# Altium PCB Edison_arduino_5_0826.PcbDoc (part 2 of 6)
Units mm, origin at the board's own origin, x right, y up, seen from the top; angles counter-clockwise.
Board outline 122.25 x 72.01 mm, 4 copper layers (TOP, GND, PWR_GND, BOTTOM), stack 1.567 mm thick; 365 components, 239 nets, 1187 pads, 660 vias.
Unrouted connection lines stored in the file: 40.
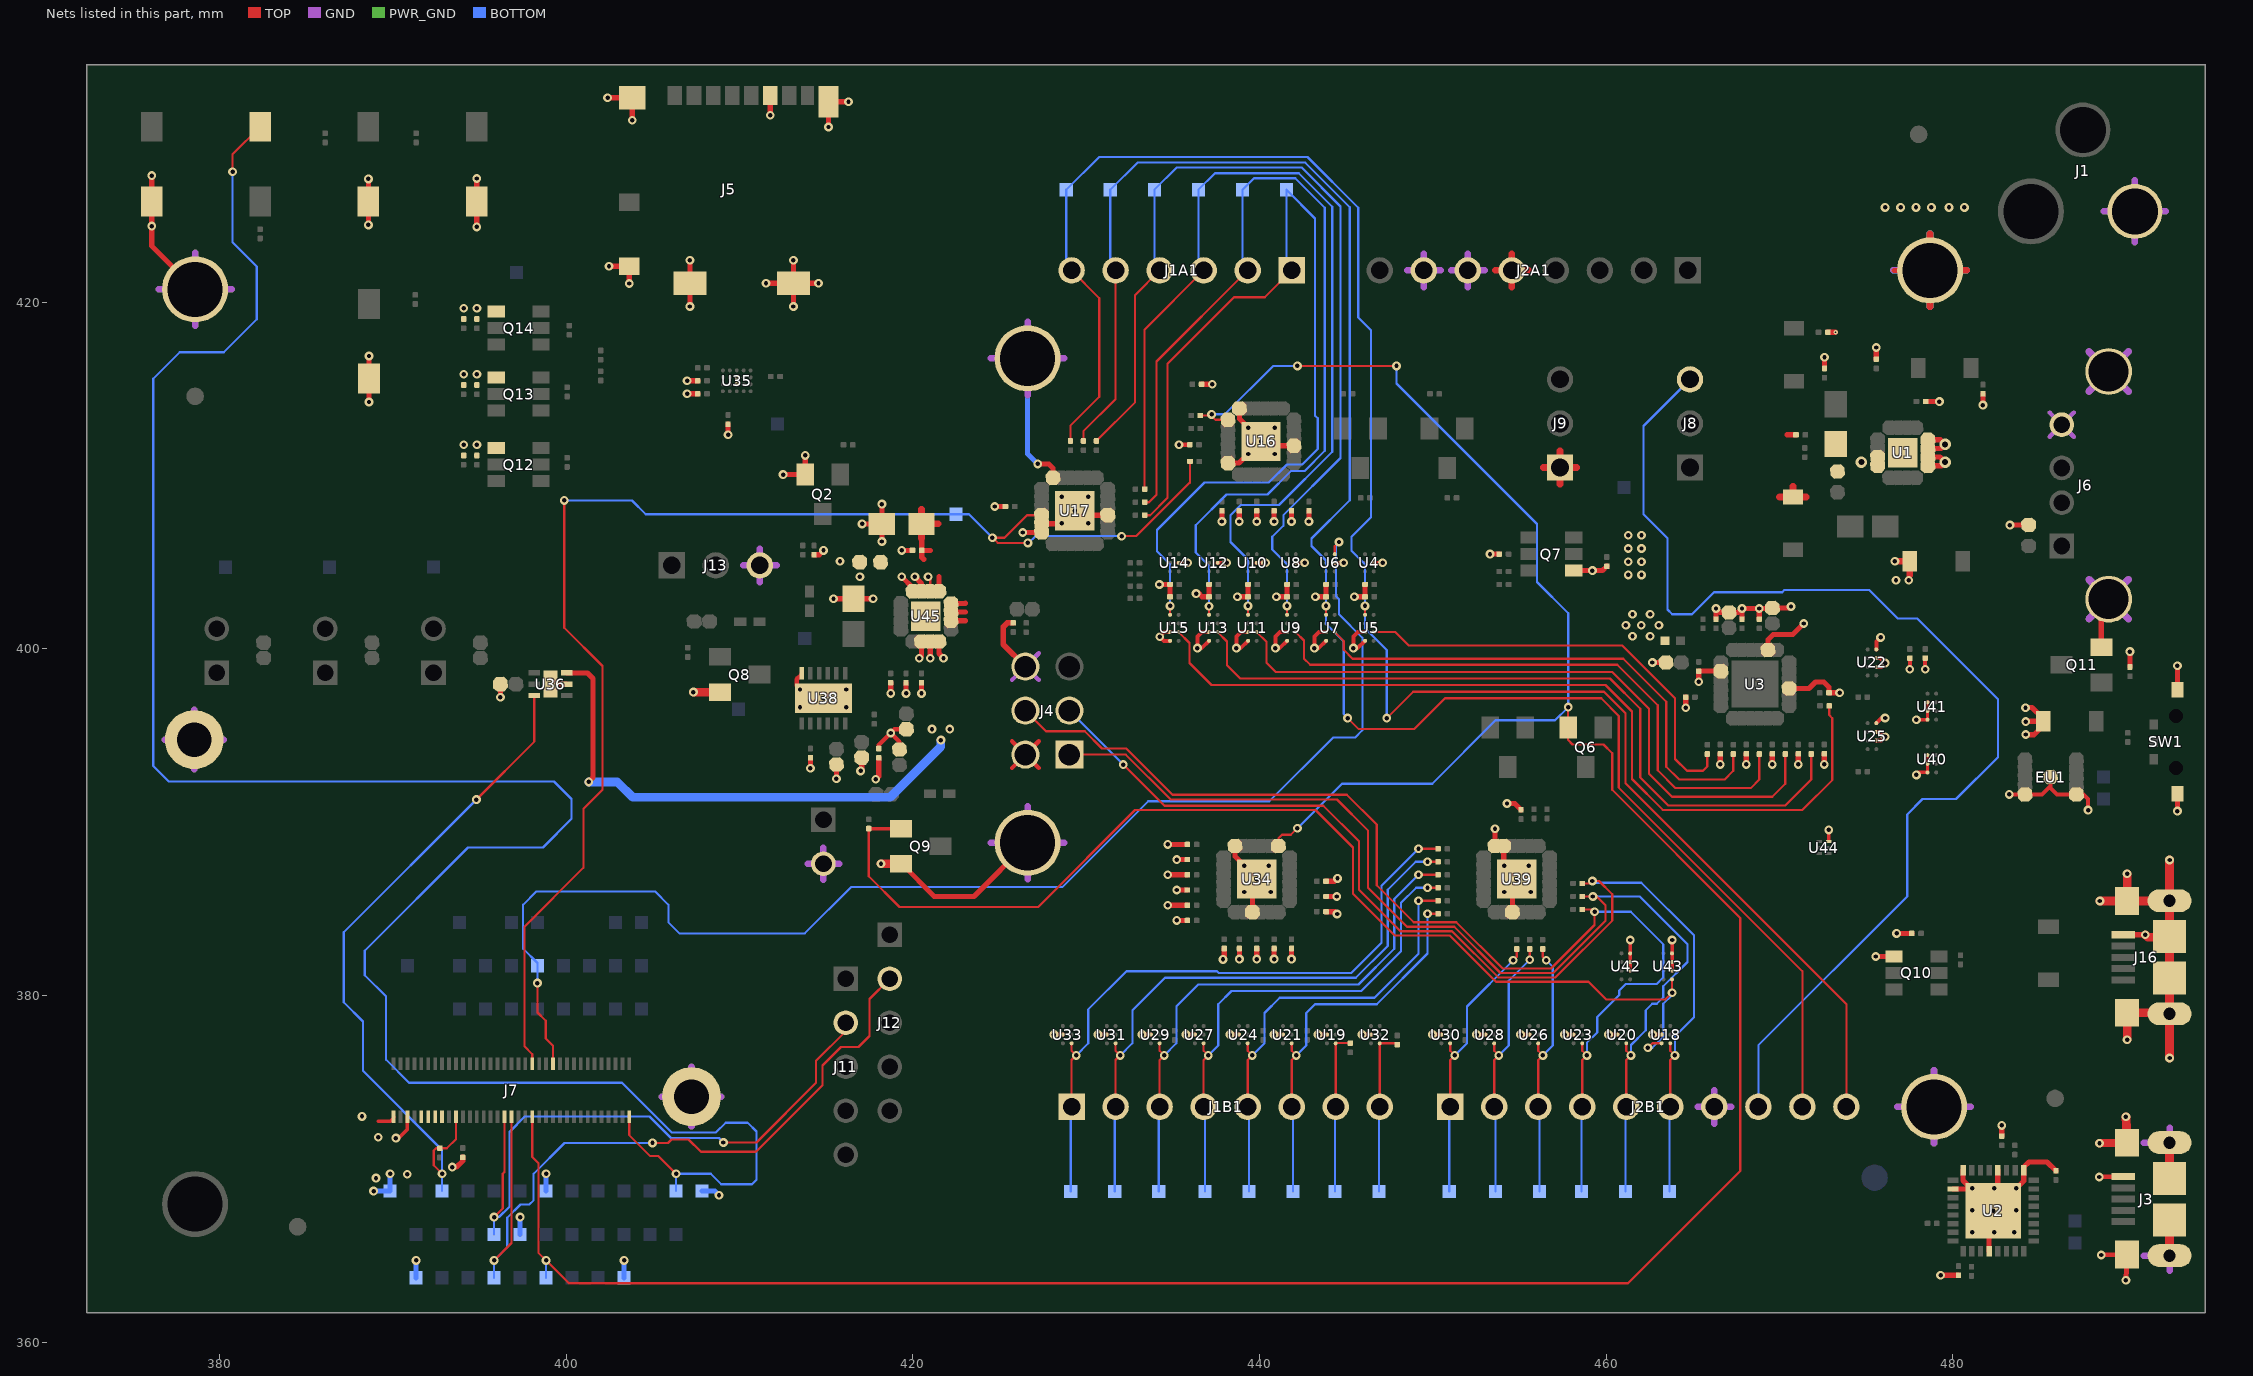
[diagram p4: the nets of this part, all layers, seen from the top]

## Footprints (in the part's own frame and the unit in brackets; to place one, negate y for a bottom-side part, rotate by r counter-clockwise, add the part's x,y. Pads: shape width x height; smd on the part's side, far side on the other; paste and mask are expansions set on the pad) (continued)
SMR0201#9 [mil] "SMR0201"
  rrect33% 12x13 smd: 1(0,10.5) 2(0,-10.5)
  TOP keep-out region: -7,4 -7,-4 7,-4 7,4 -7,4 16792.89,15796.82
SMR0201#10 [mil] "SMR0201"
  rrect33% 12x13 smd: 1(0,10.5) 2(0,-10.5)
  TOP keep-out region: -7,4 -7,-4 7,-4 7,4 -7,4 15220.41,-17463.46
SMR0201#11 [mil] "SMR0201"
  rrect33% 12x13 smd: 1(0,10.5) 2(0,-10.5)
  TOP keep-out region: -7,4 -7,-4 7,-4 7,4 -7,4 15185.88,-17463.46
SMR0201#12 [mil] "SMR0201"
  rrect33% 12x13 smd: 1(0,10.5) 2(0,-10.5)
  TOP keep-out region: -7,4 -7,-4 7,-4 7,4 -7,4 17242.58,15078.27
SMR0201#13 [mil] "SMR0201"
  rrect33% 12x13 smd: 1(0,10.5) 2(0,-10.5)
  TOP keep-out region: -7,4 -7,-4 7,-4 7,4 -7,4 15151.35,-17463.46
SMR0201#14 [mil] "SMR0201"
  rrect33% 12x13 smd: 1(0,10.5) 2(0,-10.5)
  TOP keep-out region: -7,4 -7,-4 7,-4 7,4 -7,4 16248.87,-17178.03
SMR0201#15 [mil] "SMR0201"
  rrect33% 12x13 smd: 1(0,10.5) 2(0,-10.5)
  TOP keep-out region: -7,4 -7,-4 7,-4 7,4 -7,4 16278.4,-17178.03
SMR0201#16 [mil] "SMR0201"
  rrect33% 12x13 smd: 1(0,10.5) 2(0,-10.5)
  TOP keep-out region: -7,4 -7,-4 7,-4 7,4 -7,4 16366.98,-16223.3
SMR0201#17 [mil] "SMR0201"
  rrect33% 12x13 smd: 1(0,10.5) 2(0,-10.5)
  TOP keep-out region: -7,4 -7,-4 7,-4 7,4 -7,4 15407.03,16908.98
SMR0201#18 [mil] "SMR0201"
  rrect33% 12x13 smd: 1(0,10.5) 2(0,-10.5)
  TOP keep-out region: -7,4 -7,-4 7,-4 7,4 -7,4 15200.34,16908.98
SMR0201#19 [mil] "SMR0201"
  rrect33% 12x13 smd: 1(0,10.5) 2(0,-10.5)
  TOP keep-out region: -7,4 -7,-4 7,-4 7,4 -7,4 17946.4,15373.55
SMR0201#20 [mil] "SMR0201"
  rrect33% 12x13 smd: 1(0,10.5) 2(0,-10.5)
  TOP keep-out region: -7,4 -7,-4 7,-4 7,4 -7,4 17975.93,15373.55
SMR0201#21 [mil] "SMR0201"
  rrect33% 12x13 smd: 1(0,10.5) 2(0,-10.5)
  TOP keep-out region: -7,4 -7,-4 7,-4 7,4 -7,4 16952.31,16210.16
SMR0201#22 [mil] "SMR0201"
  rrect33% 12x13 smd: 1(0,10.5) 2(0,-10.5)
  TOP keep-out region: -7,4 -7,-4 7,-4 7,4 -7,4 16922.78,16210.16
SMR0201#23 [mil] "SMR0201"
  rrect33% 12x13 smd: 1(0,10.5) 2(0,-10.5)
  TOP keep-out region: -7,4 -7,-4 7,-4 7,4 -7,4 16893.25,16210.16
SMR0201#24 [mil] "SMR0201"
  rrect33% 12x13 smd: 1(0,10.5) 2(0,-10.5)
  TOP keep-out region: -7,4 -7,-4 7,-4 7,4 -7,4 15294.15,-17739.05
SMR0201#25 [mil] "SMR0201"
  rrect33% 12x13 smd: 1(0,10.5) 2(0,-10.5)
  TOP keep-out region: -7,4 -7,-4 7,-4 7,4 -7,4 15264.62,-17739.05
SMR0201#26 [mil] "SMR0201"
  rrect33% 12x13 smd: 1(0,10.5) 2(0,-10.5)
  TOP keep-out region: -7,4 -7,-4 7,-4 7,4 -7,4 15235.09,-17739.05
SMR0201#27 [mil] "SMR0201"
  rrect33% 12x13 smd: 1(0,10.5) 2(0,-10.5)
  TOP keep-out region: -7,4 -7,-4 7,-4 7,4 -7,4 15176.04,-17739.05
SMR0201#28 [mil] "SMR0201"
  rrect33% 12x13 smd: 1(0,10.5) 2(0,-10.5)
  TOP keep-out region: -7,4 -7,-4 7,-4 7,4 -7,4 17529.08,14842.18
SMR0201#29 [mil] "SMR0201"
  rrect33% 12x13 smd: 1(0,10.5) 2(0,-10.5)
  TOP keep-out region: -7,4 -7,-4 7,-4 7,4 -7,4 16024,15740.5
SMR0201#30 [mil] "SMR0201"
  rrect33% 12x13 smd: 1(0,10.5) 2(0,-10.5)
  TOP keep-out region: -7,4 -7,-4 7,-4 7,4 -7,4 16435.31,15350.5
SMR0201#31 [mil] "SMR0201"
  rrect33% 12x13 smd: 1(0,10.5) 2(0,-10.5)
  TOP keep-out region: -7,4 -7,-4 7,-4 7,4 -7,4 17331,14870.5
SMR0201#32 [mil] "SMR0201"
  rrect33% 12x13 smd: 1(0,10.5) 2(0,-10.5)
  TOP keep-out region: -7,4 -7,-4 7,-4 7,4 -7,4 17130,14870.5
SMR0201#33 [mil] "SMR0201"
  rrect33% 12x13 smd: 1(0,10.5) 2(0,-10.5)
  TOP keep-out region: -7,4 -7,-4 7,-4 7,4 -7,4 17790,14870.5
SMR0201#34 [mil] "SMR0201"
  rrect33% 12x13 smd: 1(0,10.5) 2(0,-10.5)
  TOP keep-out region: -7,4 -7,-4 7,-4 7,4 -7,4 18915.06,15042.06
SMR0201#35 [mil] "SMR0201"
  rrect33% 12x13 smd: 1(0,10.5) 2(0,-10.5)
  TOP keep-out region: -7,4 -7,-4 7,-4 7,4 -7,4 19295.06,15547.06
SMR0201#36 [mil] "SMR0201"
  rrect33% 12x13 smd: 1(0,10.5) 2(0,-10.5)
  TOP keep-out region: -7,4 -7,-4 7,-4 7,4 -7,4 15750.06,16172.06
SMR0201#37 [mil] "SMR0201"
  rrect33% 12x13 smd: 1(0,10.5) 2(0,-10.5)
  TOP keep-out region: -7,4 -7,-4 7,-4 7,4 -7,4 15545.06,16487.06
SMR0201#38 [mil] "SMR0201"
  rrect33% 12x13 smd: 1(0,10.5) 2(0,-10.5)
  TOP keep-out region: -7,4 -7,-4 7,-4 7,4 -7,4 15515.06,16177.06
SMR0201#39 [mil] "SMR0201"
  rrect33% 12x13 smd: 1(0,10.5) 2(0,-10.5)
  TOP keep-out region: -7,4 -7,-4 7,-4 7,4 -7,4 18835.06,15737.56
SMR0201#40 [mil] "SMR0201"
  rrect33% 12x13 smd: 1(0,10.5) 2(0,-10.5)
  TOP keep-out region: -7,4 -7,-4 7,-4 7,4 -7,4 18800.06,15737.56
SMR0201#41 [mil] "SMR0201"
  rrect33% 12x13 smd: 1(0,10.5) 2(0,-10.5)
  TOP keep-out region: -7,4 -7,-4 7,-4 7,4 -7,4 16485.06,15682.06
SMR0201#42 [mil] "SMR0201"
  rrect33% 12x13 smd: 1(0,10.5) 2(0,-10.5)
  TOP keep-out region: -7,4 -7,-4 7,-4 7,4 -7,4 15937.89,-16794.2
SMR0201#43 [mil] "SMR0201"
  rrect33% 12x13 smd: 1(0,10.5) 2(0,-10.5)
  TOP keep-out region: -7,4 -7,-4 7,-4 7,4 -7,4 15908.36,-16794.2
SMR0201#44 [mil] "SMR0201"
  rrect33% 12x13 smd: 1(0,10.5) 2(0,-10.5)
  TOP keep-out region: -7,4 -7,-4 7,-4 7,4 -7,4 18111.79,15946.42
SMR0402#1 [mil] "SMR0402"
  oct 33.3x33.3 smd rot 93: 1(0,17.5) 2(0,-17.5)
  TOP keep-out region: -10,-7.5 10,-7.5 10,7.5 -10,7.5 -10,-7.5 15668.17,-15615.91
  TOP keep-out region: -10,7.5 10,7.5 10,-7.5 -10,-7.5 -10,7.5 15668.17,-15615.91
  silkscreen extent -15,-18 15,18
SMR0402#2 [mil] "SMR0402"
  oct 33.3x33.3 smd rot 3: 1(0,17.5) 2(0,-17.5)
  TOP lines w1: -10,-7.5 -10,7.5 10,7.5 10,-7.5 -10,-7.5
  TOP keep-out region: -10,7.5 10,7.5 10,-7.5 -10,-7.5 -10,7.5 -15553,-15744.91
  silkscreen extent -15,-18 15,18
SMR0402#3 [mil] "SMR0402"
  oct 33.3x33.3 smd rot 93: 1(0,17.5) 2(0,-17.5)
  TOP keep-out region: -10,-7.5 10,-7.5 10,7.5 -10,7.5 -10,-7.5 15810.2,-16056.33
  TOP keep-out region: -10,7.5 10,7.5 10,-7.5 -10,-7.5 -10,7.5 15810.2,-16056.33
  silkscreen extent -15,-18 15,18
SMR0402#4 [mil] "SMR0402"
  oct 33.3x33.3 smd rot 93: 1(0,17.5) 2(0,-17.5)
  TOP keep-out region: -10,-7.5 10,-7.5 10,7.5 -10,7.5 -10,-7.5 15418,-16469.5
  TOP keep-out region: -10,7.5 10,7.5 10,-7.5 -10,-7.5 -10,7.5 15418,-16469.5
  silkscreen extent -15,-18 15,18
SMR0402#5 [mil] "SMR0402"
  oct 33.3x33.3 smd rot 93: 1(0,17.5) 2(0,-17.5)
  TOP keep-out region: -10,-7.5 10,-7.5 10,7.5 -10,7.5 -10,-7.5 -15838.27,16789.22
  TOP keep-out region: -10,7.5 10,7.5 10,-7.5 -10,-7.5 -10,7.5 -15838.27,16789.22
  silkscreen extent -15,-18 15,18
SMR0402#6 [mil] "SMR0402"
  oct 33.3x33.3 smd rot 3: 1(0,17.5) 2(0,-17.5)
  TOP keep-out region: -10,-7.5 10,-7.5 10,7.5 -10,7.5 -10,-7.5 16520.59,15583.37
  TOP keep-out region: -10,7.5 10,7.5 10,-7.5 -10,-7.5 -10,7.5 16520.59,15583.37
  silkscreen extent -15,-18 15,18
SOD123_67X106 [mil] "SOD123_67X106"
  rect 47x33 smd: 1(0,60) 2(0,-60)
  silkscreen extent -36,-56 51,98
SOT23#1 [mil] "SOT23"
  rect 50x40 smd: 1(-45,40) 2(-45,-40) 3(45,0)
  TOP keep-out region: 25,-60 25,60 -70,60 -70,-60 25,-60 16099.23,-16330.81
  silkscreen extent -25,-60 25,60
SOT23#2 [mil] "SOT23"
  rect 50x40 smd: 1(-45,40) 2(-45,-40) 3(45,0)
  TOP keep-out region: 25,-60 25,60 -70,60 -70,-60 25,-60 16203.87,-17748.92
  silkscreen extent -25,-60 25,60
SOT23#3 [mil] "SOT23"
  rect 50x40 smd: 1(-45,40) 2(-45,-40) 3(45,0)
  TOP keep-out region: 25,-60 25,60 -70,60 -70,-60 25,-60 15524.74,-17886.72
  silkscreen extent -25,-60 25,60
SOT23#4 [mil] "SOT23"
  rect 50x40 smd: 1(-45,40) 2(-45,-40) 3(45,0)
  TOP keep-out region: 25,-60 25,60 -70,60 -70,-60 25,-60 -16142,-15690
  silkscreen extent -25,-60 25,60
SOT23#5 [mil] "SOT23"
  rect 50x40 smd: 1(-45,40) 2(-45,-40) 3(45,0)
  TOP keep-out region: 25,-60 25,60 -70,60 -70,-60 25,-60 19190.06,15711.98
  silkscreen extent -25,-60 25,60
SOT23_6_SUPER_NOEP_1P22H [mm] "SOT23_6_SUPER_NOEP_1P22H"
  rect 0.99x0.69 smd: 1(-1.295,0.95) 2(-1.295,0) 3(-1.295,-0.95) 4(1.295,-0.95) 5(1.295,0) 6(1.295,0.95)
  silkscreen extent -2.73,-1.5 0.84,2.31
SSW2RPB [mil] "SSW2RPB"
  rect 49x68 smd: 1(0,85) 2(0,-85)
  silkscreen extent -64,-84 64,139
SW_SSAJ110100_3P [mm] "SW_SSAJ110100_3P"
  rect 0.6x0.5 smd: 1(-1,1.925) 2(1,1.925) C(0,1.925)
  rect 0.9x0.7 smd: 3(-3,0.565) 4(3,0.565)
  round 0.254 hole 0.813: 5(-1.5,0.64) 6(1.5,0.64)
  TOP keep-out region: -1.5,0.07 1.49,0.07 1.49,1.675 -1.5,1.675 -1.5,0.07 -394.641,493.524
  TOP keep-out region: -1.5,0.07 1.49,0.07 1.49,1.675 -1.5,1.675 -1.5,0.07 -394.641,493.524
  Multi-Layer keep-out circle w0.025: c1.5,0.64 r0.87
  Multi-Layer keep-out circle w0.025: c-1.5,0.64 r0.87
  silkscreen extent -2.9,-2.17 2.9,2.02
SYMBOL_NPTH125 [mm] "SYMBOL_NPTH125"
  round 3.81 hole 3.18: 1(0,0)
TP30S [mil] "TP30S"
  rect 30x30 smd: 1(0,0)

## Free pads (board coordinates)
  round 1.016 all layers, no hole: ""(378.589,414.58) ""(384.505,366.664) ""(478.03,429.693)
  round 1.524 smd far side: ""(475.49,369.495)
  round 1.016 smd: ""(485.904,374.067)

## Via types
v1: diameter 0.508, hole 0.254, TOP to BOTTOM, 643 vias
v2: diameter 0.254, hole 0.102, TOP to GND, 11 vias
v3: diameter 0.66, hole 0.356, TOP to BOTTOM, 5 vias
v4: diameter 0.483, hole 0.203, TOP to BOTTOM, 1 vias

## Nets (pads, with @x,y where several pads share a name; then routed paths per layer and width w, separated by ;. In a path a pad name is that pad's centre, name@x,y a point inside that pad or via, vN(x,y) a via of type N, cw(c..) or ccw(c..) an arc to the next point about the centre after c; other vN are vias at no path point)
4.38V: C6.2 C54.1 L2.2 R111.2 R113.1 R115.1 U45.14 | length 7.1
  TOP w0.127: v1(420.88,404.166) 421.004,404.042 U45.14@421.004,403.328
  TOP w0.25: C6.2@418.034,394.252 418.034,394.463 v1(418.721,395.149) ; R113.1@419.229,394.197 419.229,394.641 v1(418.721,395.149) ; R115.1@419.623,395.373 418.944,395.373 v1(418.721,395.149)
  TOP w0.3: v1(415.419,402.896) L2.2@416.562,402.896 v1(417.705,402.896) ; v1(419.61,397.435) R111.2@419.61,398.058
  other v1: 416.943,404.166 415.796,405.059
5V: C52.2 C55.1 CR1.1 CR2.1 CR9.2 FB1.2 J2A1.5 J4.2 J9.1 R2.2 U36.6 U45.10 U45.11 U45.12 U45.13 | length 57.9
  TOP w0.254: 425.721,393.133 J4.2@426.491,393.903 ; 425.721,394.673 J4.2@426.491,393.903 ; 427.262,393.133 J4.2@426.491,393.903 ; 427.262,394.673 J4.2@426.491,393.903
  TOP w0.3: U36.6@400.019,398.621 401.225,398.621 401.549,398.297 401.549,392.582 v1(401.295,392.328) ; 420.499,406.376 420.511,406.363 C52.2@420.511,405.69 ; 420.626,405.182 420.511,405.297 C52.2@420.511,405.69 ; 421.007,405.69 C52.2@420.511,405.69 ; U45.13@421.504,403.328 421.504,404.156 421.515,404.166 ; U45.10@422.2,401.629 423.036,401.629 423.039,401.626 ; U45.11@422.2,402.129 423.033,402.129 423.039,402.134 ; U45.12@422.2,402.63 423.026,402.63 423.039,402.642 ; 470.454,412.356 470.457,412.359 R2.2@470.957,412.359 ; v1(484.198,396.608) 484.215,396.625 484.571,396.625 485.219,395.977 CR9.2@485.219,395.825 ; v1(484.207,395.065) 484.215,395.056 484.687,395.056 485.219,395.588 CR9.2@485.219,395.825 ; v1(484.211,395.809) 484.227,395.825 CR9.2@485.219,395.825
  TOP w0.381: 420.499,406.376 C55.1@420.499,407.214 ; 420.499,408.053 C55.1@420.499,407.214 ; 421.464,407.214 C55.1@420.499,407.214 ; 453.593,421.843 J2A1.5@454.558,421.843 ; 454.558,420.878 J2A1.5@454.558,421.843 ; 454.558,422.809 J2A1.5@454.558,421.843 ; 455.524,421.843 J2A1.5@454.558,421.843 ; 456.373,410.471 J9.1@457.339,410.471 ; 457.339,409.506 J9.1@457.339,410.471 ; 457.339,411.437 J9.1@457.339,410.471 ; 458.304,410.471 J9.1@457.339,410.471 ; 470.005,408.768 CR2.1@470.78,408.768 ; 470.78,409.391 CR2.1@470.78,408.768 ; 471.555,408.768 CR2.1@470.78,408.768 ; v1@476.899,405.055 CR1.1@477.522,405.055 477.522,404.255
  BOTTOM w0.5: v1(401.295,392.328) 402.946,392.328 403.835,391.439 418.694,391.439 421.615,394.36 v1(421.615,394.741)
  other v1: 421.107,395.376 422.123,395.376 461.52,400.737 462.536,400.737 461.139,401.372 462.028,401.372 463.044,401.372 461.52,402.007 462.536,402.007 476.723,403.97 477.461,403.961 461.277,404.272 462.039,404.272 461.277,405.034 462.039,405.034 476.66,405.058 461.277,405.796 462.039,405.796 461.277,406.558 462.039,406.558
A0: J1A1.1 R52.2 TP64.1 U15.A1 | length 55.7
  TOP w0.127: R52.2@433.372,407.721 433.688,407.721 434.696,408.729 434.696,416.458 438.533,420.295 440.311,420.295 J1A1.1@441.858,421.843 ; U15.A1@434.839,401.971 v1(434.839,402.485)
  BOTTOM w0.127: v1(434.839,402.485) 434.839,404.885 434.089,405.635 434.089,406.861 436.829,409.6 440.538,409.6 441.581,410.643 442.47,410.643 443.359,411.532 443.359,413.31 443.205,413.464 443.205,424.84 TP64.1@441.554,426.491 441.554,422.148 J1A1.1@441.858,421.843
A1: J1A1.2 R53.2 TP65.1 U13.A1 | length 55.2
  TOP w0.127: R53.2@433.372,408.471 433.63,408.471 434.061,408.902 434.061,416.585 J1A1.2@439.318,421.843 ; U13.A1@437.089,401.971 v1(437.089,402.467)
  BOTTOM w0.127: v1(437.089,402.467) 437.089,404.794 436.321,405.562 436.321,407.137 438.099,408.915 440.461,408.915 441.809,410.262 442.597,410.262 443.763,411.429 443.763,425.463 442.065,427.162 439.684,427.162 TP65.1@439.014,426.491 439.014,422.148 J1A1.2@439.318,421.843
A2: J1A1.3 R54.2 TP66.1 U11.A1 | length 55.4
  TOP w0.127: R54.2@433.372,409.221 433.372,418.437 J1A1.3@436.778,421.843 ; U11.A1@439.339,401.971 v1(439.339,402.485)
  BOTTOM w0.127: J1A1.3@436.778,421.843 436.474,422.148 TP66.1@436.474,426.491 437.429,427.447 442.262,427.447 444.195,425.514 444.195,411.378 441.122,408.305 438.912,408.305 438.328,407.721 438.328,406.171 439.339,405.161 v1(439.339,402.485)
A3: J1A1.4 R55.2 TP67.1 U9.A1 | length 53.9
  TOP w0.127: R55.2@430.589,412.005 432.824,414.24 432.824,420.429 J1A1.4@434.238,421.843 ; U9.A1@441.589,401.971 v1(441.589,402.485)
  BOTTOM w0.127: J1A1.4@434.238,421.843 433.934,422.148 TP67.1@433.934,426.491 435.218,427.776 442.437,427.776 444.678,425.535 444.678,411.023 441.376,407.721 441.376,407.111 440.741,406.476 440.741,405.74 441.589,404.892 v1(441.589,402.485)
A4: J1A1.5 J2B1.9 R56.2 TP68.1 U7.A1 | length 106.7
  TOP w0.127: R56.2@429.839,412.005 429.839,412.567 431.698,414.426 J1A1.5@431.698,421.843 ; U7.A1@443.839,401.971 v1(443.839,402.485) ; v1(445.084,396.011) 445.719,395.376 448.92,395.376 450.698,397.154 459.715,397.154 460.731,396.138 460.731,392.001 471.322,381.41 J2B1.9@471.322,373.583
  BOTTOM w0.127: J1A1.5@431.698,421.843 431.394,422.148 TP68.1@431.394,426.491 432.963,428.061 442.635,428.061 445.211,425.484 445.211,408.584 443.001,406.375 443.001,405.943 443.839,405.106 v1(443.839,402.485) 443.839,401.448 444.856,400.431 444.856,396.24 v1(445.084,396.011)
A5: J1A1.6 J2B1.10 R57.2 TP69.1 U5.A1 | length 109.3
  TOP w0.127: R57.2@429.089,412.005 429.089,412.883 430.759,414.553 430.759,420.243 J1A1.6@429.158,421.843 ; U5.A1@446.089,401.971 v1(446.089,402.485) ; v1(447.345,396.011) 448.869,397.535 459.873,397.535 461.112,396.296 461.112,392.255 473.862,379.505 J2B1.10@473.862,373.583
  BOTTOM w0.127: J1A1.6@429.158,421.843 428.854,422.148 TP69.1@428.854,426.491 430.752,428.389 442.766,428.389 445.694,425.462 445.694,419.125 446.43,418.389 446.43,407.594 445.313,406.476 445.313,405.663 446.089,404.888 v1(446.089,402.485) 446.089,401.2 447.345,399.944 v1(447.345,396.011)
AIN0: R74.2 U15.C2 | length 50
  TOP w0.127: U15.C2@435.339,400.971 435.966,400.344 435.966,399.186 437.236,397.916 459.969,397.916 461.493,396.392 461.493,392.495 463.271,390.717 471.335,390.717 473.05,392.432 473.05,396.01 472.872,396.188 R74.2@472.872,396.721
AIN1: R75.2 U13.C2 | length 43.6
  TOP w0.127: U13.C2@437.589,400.971 438.125,400.435 438.125,399.059 438.887,398.297 460.223,398.297 461.974,396.546 461.974,392.586 463.589,390.971 470.339,390.971 471.839,392.471 R75.2@471.839,393.938
AIN2: R76.2 U11.C2 | length 39.4
  TOP w0.127: U11.C2@439.839,400.971 440.411,400.399 440.411,399.186 440.919,398.678 460.339,398.678 462.474,396.544 462.474,392.794 463.796,391.471 469.589,391.471 470.339,392.221 R76.2@470.339,393.938
AIN3: R77.2 U9.C2 | length 35
  TOP w0.127: U9.C2@442.089,400.971 442.57,400.49 442.57,399.44 442.924,399.086 460.638,399.086 462.974,396.751 462.974,393.001 464.003,391.971 468.339,391.971 468.839,392.471 R77.2@468.839,393.938
AIN4: R78.2 U7.C2 | length 30.2
  TOP w0.127: U7.C2@444.339,400.971 444.856,400.454 444.856,399.948 445.364,399.44 460.991,399.44 463.474,396.958 463.474,393.208 464.21,392.471 466.839,392.471 467.339,392.971 R78.2@467.339,393.938
AIN5: R79.2 U5.C2 | length 25.4
  TOP w0.127: U5.C2@446.589,400.971 447.841,400.971 448.61,400.202 460.936,400.202 463.974,397.165 463.974,393.657 464.66,392.971 465.589,392.971 465.839,393.221 R79.2@465.839,393.938
AREF: J2B1.8 J8.3 | length 67.7
  BOTTOM w0.127: J8.3@464.839,415.551 462.155,412.867 462.155,407.772 463.539,406.388 463.539,402.274 463.806,402.007 464.949,402.007 466.219,403.277 470.156,403.277 470.283,403.404 475.182,403.404 476.833,401.753 477.943,401.753 482.617,397.08 482.617,393.768 480.189,391.339 478.257,391.339 477.368,390.45 477.368,385.724 468.782,377.139 J2B1.8@468.782,373.583
DIG0: J1B1.1 R64.2 TP70.1 U33.C2 | length 37.8
  TOP w0.127: U33.C2@429.156,377.248 429.156,376.817 v1(429.424,376.549) 429.156,376.28 429.156,373.586 J1B1.1@429.158,373.583 ; v1(449.174,388.47) v1(449.174,388.47) R64.2@450.305,388.471
  BOTTOM w0.127: TP70.1@429.108,368.706 429.108,373.532 J1B1.1@429.158,373.583 ; v1(429.424,376.549) 430.124,377.248 430.124,379.206 432.324,381.406 437.544,381.406 437.644,381.306 445.298,381.306 447.042,383.05 447.042,386.338 v1(449.174,388.47)
DIG1: J1B1.2 R65.2 TP71.1 U31.C2 | length 34.8
  TOP w0.127: U31.C2@431.696,377.248 431.696,376.817 v1(431.964,376.549) 431.696,376.28 431.696,373.586 J1B1.2@431.698,373.583 ; v1(449.69,387.721) R65.2@450.305,387.721
  BOTTOM w0.127: TP71.1@431.648,368.706 431.648,373.532 J1B1.2@431.698,373.583 ; v1(431.964,376.549) 432.664,377.248 432.664,379.146 434.543,381.025 445.556,381.025 447.396,382.865 447.396,386.105 449.012,387.721 v1(449.69,387.721)
DIG2: J1B1.3 R66.2 TP72.1 U29.C2 | length 31.8
  TOP w0.127: U29.C2@434.236,377.248 434.236,376.817 v1(434.504,376.549) 434.236,376.28 434.236,373.586 J1B1.3@434.238,373.583 ; v1(449.174,386.97) v1(449.174,386.97) R66.2@450.305,386.971
  BOTTOM w0.127: TP72.1@434.188,368.706 434.188,373.532 J1B1.3@434.238,373.583 ; v1(434.504,376.549) 435.204,377.248 435.204,379.374 436.474,380.644 445.714,380.644 447.777,382.707 447.777,385.573 v1(449.174,386.97)
DIG3: J1B1.4 R67.2 TP73.1 U27.C2 | length 29.1
  TOP w0.127: U27.C2@436.776,377.248 436.776,376.817 v1(437.044,376.549) 436.776,376.28 436.776,373.586 J1B1.4@436.778,373.583 ; v1(449.69,386.221) R67.2@450.305,386.221
  BOTTOM w0.127: J1B1.4@436.778,373.583 436.855,373.507 TP73.1@436.855,368.706 ; v1(437.044,376.549) 437.617,377.121 437.617,379.501 438.379,380.263 445.872,380.263 448.158,382.549 448.158,385.343 449.036,386.221 v1(449.69,386.221)
DIG4: J1B1.5 R68.2 TP74.1 U24.C2 | length 26
  TOP w0.127: U24.C2@439.316,377.248 439.316,376.817 v1(439.584,376.549) 439.316,376.28 439.316,373.586 J1B1.5@439.318,373.583 ; v1(449.174,385.47) v1(449.174,385.47) R68.2@450.305,385.471
  BOTTOM w0.127: J1B1.5@439.318,373.583 439.395,373.507 TP74.1@439.395,368.706 ; v1(439.584,376.549) 440.284,377.248 440.284,378.993 441.173,379.882 446.634,379.882 449.174,382.422 v1(449.174,385.47)
DIG5: J1B1.6 R69.2 TP75.1 U21.C2 | length 22.8
  TOP w0.127: U21.C2@441.856,377.248 441.856,376.817 v1(442.124,376.549) 441.856,376.28 441.856,373.586 J1B1.6@441.858,373.583 ; v1(449.69,384.721) R69.2@450.305,384.721
  BOTTOM w0.127: J1B1.6@441.858,373.583 441.935,373.507 TP75.1@441.935,368.706 ; v1(442.124,376.549) 442.697,377.121 442.697,378.993 443.205,379.501 446.761,379.501 449.69,382.431 v1(449.69,384.721)
DIG6: J1B1.7 R70.2 TP76.1 U19.C2 | length 9.4
  TOP w0.127: J1B1.7@444.398,373.583 444.396,373.586 U19.C2@444.396,377.248 444.405,377.258 R70.2@445.239,377.258
  BOTTOM w0.127: TP76.1@444.348,368.706 444.348,373.532 J1B1.7@444.398,373.583
DIG7: J1B1.8 R71.2 TP77.1 U32.C2 | length 9.6
  TOP w0.127: J1B1.8@446.938,373.583 446.936,373.586 U32.C2@446.936,377.248 447.868,377.248 R71.2@447.949,377.168
  BOTTOM w0.127: TP77.1@446.888,368.706 446.888,373.532 J1B1.8@446.938,373.583

## Text inside footprints (layer, text, board x,y; h text height)
J16: CONSTRUCTION "6.52" at 499.912,380.738 h0.79 r90; CONSTRUCTION "4.31" at 497.092,367.987 h0.79 r90; CONSTRUCTION "0.7" at 497.092,393.019 h0.79 r90; CONSTRUCTION "5.6" at 492.393,372.064 h0.79 r90; CONSTRUCTION "7.5" at 480.455,374.858 h0.79 r90; CONSTRUCTION "6.45" at 483.122,373.956 h0.79 r90; CONSTRUCTION "2.6" at 484.9,374.731 h0.79 r90; CONSTRUCTION "1.3" at 486.551,374.731 h0.79 r90; CONSTRUCTION "0.9" at 487.694,392.003 h0.79 r90; CONSTRUCTION "1.45" at 495.568,397.832 h0.79 r90; CONSTRUCTION "3.35" at 490.996,397.832 h0.79 r90; CONSTRUCTION "2 PLCS" at 496.856,396.054 h0.79 r90; CONSTRUCTION "S75" at 497.476,393.641 h0.79 r90; CONSTRUCTION "R16X53" at 479.511,397.62 h0.79 r90; CONSTRUCTION "5 PLCS" at 480.824,397.705 h0.79 r90; CONSTRUCTION "2 PLCS" at 496.729,370.146 h0.79 r90; CONSTRUCTION "O52X100P28X76" at 491.177,372.813 h0.79 r90; CONSTRUCTION "R55X63" at 483.194,396.35 h0.79 r90; CONSTRUCTION "2 PLCS" at 484.507,396.435 h0.79 r90; CONSTRUCTION "BODY" at 480.453,373.956 h0.79 r90; CONSTRUCTION "TYCO:  2013499-1" at 472.573,378.46 h0.79 r90; CONSTRUCTION "BODY" at 492.264,370.781 h0.79 r90; CONSTRUCTION "RCPT_USB_5P_DIP_SM" at 469.521,378.529 h0.79 r90; CONSTRUCTION "REV1" at 470.918,378.529 h0.79 r90; CONSTRUCTION "H. NGUYEN" at 474.474,378.529 h0.79 r90; CONSTRUCTION "02-07-12" at 476.125,378.529 h0.79 r90; CONSTRUCTION "4" at 489.579,382.861 h0.64 r90; CONSTRUCTION "MT1" at 491.746,381.011 h0.64 r90; CONSTRUCTION "MT2" at 491.746,383.412 h0.64 r90; CONSTRUCTION "MT3" at 491.746,378.952 h0.64 r90; CONSTRUCTION "MT4" at 491.746,385.471 h0.64 r90; CONSTRUCTION "MT5" at 489.296,379.012 h0.64 r90; CONSTRUCTION "MT6" at 489.296,385.461 h0.64 r90; CONSTRUCTION "5" at 489.579,383.511 h0.64 r90; CONSTRUCTION "2" at 489.579,381.561 h0.64 r90; CONSTRUCTION "3" at 489.579,382.211 h0.64 r90; CONSTRUCTION "1" at 489.579,380.911 h0.64 r90; OUTLINE "BOARD EDGE" at 494.921,378.401 h0.79 r90
L1: CONSTRUCTION "REV3" at 476.684,408.71 h0.79 r180
L2: CONSTRUCTION "REV3" at 418.2,400.293 h0.79 r90
MGT5: CONSTRUCTION "1" at 378.506,420.751 h0.2
MTG1: CONSTRUCTION "1" at 378.458,394.772 h0.2
MTG2: CONSTRUCTION "1" at 407.148,374.172 h0.2
MTG3: CONSTRUCTION "1" at 478.607,421.843 h0.2
MTG4: CONSTRUCTION "1" at 478.837,373.583 h0.2
MTG6: CONSTRUCTION "1" at 378.507,367.971 h0.2
MTG7: CONSTRUCTION "1" at 426.537,416.763 h0.2
MTG8: CONSTRUCTION "1" at 426.537,388.823 h0.2
Q2: CONSTRUCTION "REV3" at 426.995,413.619 h1.02 r270; CONSTRUCTION "BODY" at 413.152,421.239 h1.02; CONSTRUCTION "BODY" at 419.883,410.571 h1.02 r270; CONSTRUCTION "R50X40" at 419.883,420.858 h1.02 r270; CONSTRUCTION "SOT23" at 428.519,413.619 h1.02 r270; CONSTRUCTION "DFM32" at 425.471,413.492 h1.02 r270; CONSTRUCTION "06/13/02" at 423.947,413.619 h1.02 r270; CONSTRUCTION "3 PLCS" at 418.359,420.858 h1.02 r270; CONSTRUCTION "2.286" at 410.231,404.221 h1.02 r270; CONSTRUCTION "2.032" at 405.405,413.111 h1.02; CONSTRUCTION "1.016" at 419.502,395.839 h1.02; CONSTRUCTION "1.27" at 417.343,405.745 h1.02 r270; CONSTRUCTION "3.048" at 405.405,418.699 h1.02; CONSTRUCTION "2" at 413.533,410.063 h0.64 r270; CONSTRUCTION "3" at 414.549,407.777 h0.64 r270; CONSTRUCTION "1" at 415.565,410.063 h0.64 r270
Q3: CONSTRUCTION "REV3" at 463.015,416.277 h1.02 r270; CONSTRUCTION "BODY" at 449.172,423.897 h1.02; CONSTRUCTION "BODY" at 455.903,413.229 h1.02 r270; CONSTRUCTION "R50X40" at 455.903,423.516 h1.02 r270; CONSTRUCTION "SOT23" at 464.539,416.277 h1.02 r270; CONSTRUCTION "DFM32" at 461.491,416.15 h1.02 r270; CONSTRUCTION "06/13/02" at 459.967,416.277 h1.02 r270; CONSTRUCTION "3 PLCS" at 454.379,423.516 h1.02 r270; CONSTRUCTION "2.286" at 446.251,406.879 h1.02 r270; CONSTRUCTION "2.032" at 441.425,415.769 h1.02; CONSTRUCTION "1.016" at 455.522,398.497 h1.02; CONSTRUCTION "1.27" at 453.363,408.403 h1.02 r270; CONSTRUCTION "3.048" at 441.425,421.357 h1.02; CONSTRUCTION "2" at 449.553,412.721 h0.64 r270; CONSTRUCTION "3" at 450.569,410.435 h0.64 r270; CONSTRUCTION "1" at 451.585,412.721 h0.64 r270
Q4: CONSTRUCTION "REV3" at 458.015,416.277 h1.02 r270; CONSTRUCTION "BODY" at 444.172,423.897 h1.02; CONSTRUCTION "BODY" at 450.903,413.229 h1.02 r270; CONSTRUCTION "R50X40" at 450.903,423.516 h1.02 r270; CONSTRUCTION "SOT23" at 459.539,416.277 h1.02 r270; CONSTRUCTION "DFM32" at 456.491,416.15 h1.02 r270; CONSTRUCTION "06/13/02" at 454.967,416.277 h1.02 r270; CONSTRUCTION "3 PLCS" at 449.379,423.516 h1.02 r270; CONSTRUCTION "2.286" at 441.251,406.879 h1.02 r270; CONSTRUCTION "2.032" at 436.425,415.769 h1.02; CONSTRUCTION "1.016" at 450.522,398.497 h1.02; CONSTRUCTION "1.27" at 448.363,408.403 h1.02 r270; CONSTRUCTION "3.048" at 436.425,421.357 h1.02; CONSTRUCTION "2" at 444.553,412.721 h0.64 r270; CONSTRUCTION "3" at 445.569,410.435 h0.64 r270; CONSTRUCTION "1" at 446.585,412.721 h0.64 r270
Q5: CONSTRUCTION "REV3" at 466.515,399.027 h1.02 r270; CONSTRUCTION "BODY" at 452.672,406.647 h1.02; CONSTRUCTION "BODY" at 459.403,395.979 h1.02 r270; CONSTRUCTION "R50X40" at 459.403,406.266 h1.02 r270; CONSTRUCTION "SOT23" at 468.039,399.027 h1.02 r270; CONSTRUCTION "DFM32" at 464.991,398.9 h1.02 r270; CONSTRUCTION "06/13/02" at 463.467,399.027 h1.02 r270; CONSTRUCTION "3 PLCS" at 457.879,406.266 h1.02 r270; CONSTRUCTION "2.286" at 449.751,389.629 h1.02 r270; CONSTRUCTION "2.032" at 444.925,398.519 h1.02; CONSTRUCTION "1.016" at 459.022,381.247 h1.02; CONSTRUCTION "1.27" at 456.863,391.153 h1.02 r270; CONSTRUCTION "3.048" at 444.925,404.107 h1.02; CONSTRUCTION "2" at 453.053,395.471 h0.64 r270; CONSTRUCTION "3" at 454.069,393.185 h0.64 r270; CONSTRUCTION "1" at 455.085,395.471 h0.64 r270
Q6: CONSTRUCTION "REV3" at 471.015,399.027 h1.02 r270; CONSTRUCTION "BODY" at 457.172,406.647 h1.02; CONSTRUCTION "BODY" at 463.903,395.979 h1.02 r270; CONSTRUCTION "R50X40" at 463.903,406.266 h1.02 r270; CONSTRUCTION "SOT23" at 472.539,399.027 h1.02 r270; CONSTRUCTION "DFM32" at 469.491,398.9 h1.02 r270; CONSTRUCTION "06/13/02" at 467.967,399.027 h1.02 r270; CONSTRUCTION "3 PLCS" at 462.379,406.266 h1.02 r270; CONSTRUCTION "2.286" at 454.251,389.629 h1.02 r270; CONSTRUCTION "2.032" at 449.425,398.519 h1.02; CONSTRUCTION "1.016" at 463.522,381.247 h1.02; CONSTRUCTION "1.27" at 461.363,391.153 h1.02 r270; CONSTRUCTION "3.048" at 449.425,404.107 h1.02; CONSTRUCTION "2" at 457.553,395.471 h0.64 r270; CONSTRUCTION "3" at 458.569,393.185 h0.64 r270; CONSTRUCTION "1" at 459.585,395.471 h0.64 r270
Q7: CONSTRUCTION "1" at 457.41,404.816 h0.64 r180; CONSTRUCTION "4" at 454.82,406.716 h0.64 r180; CONSTRUCTION "2" at 457.41,405.766 h0.64 r180; CONSTRUCTION "3" at 457.41,406.716 h0.64 r180; CONSTRUCTION "5" at 454.82,405.766 h0.64 r180; CONSTRUCTION "6" at 454.82,404.816 h0.64 r180
Q8: CONSTRUCTION "REV3" at 405.308,410.718 h1.02; CONSTRUCTION "BODY" at 408.356,403.606 h1.02; CONSTRUCTION "BODY" at 397.688,396.875 h1.02 r90; CONSTRUCTION "R50X40" at 398.069,403.606 h1.02; CONSTRUCTION "SOT23" at 405.308,412.242 h1.02; CONSTRUCTION "DFM32" at 405.435,409.194 h1.02; CONSTRUCTION "06/13/02" at 405.308,407.67 h1.02; CONSTRUCTION "3 PLCS" at 398.069,402.082 h1.02; CONSTRUCTION "2.286" at 414.706,393.954 h1.02; CONSTRUCTION "2.032" at 405.816,389.128 h1.02 r90; CONSTRUCTION "1.016" at 423.088,403.225 h1.02 r90; CONSTRUCTION "1.27" at 413.182,401.066 h1.02; CONSTRUCTION "3.048" at 400.228,389.128 h1.02 r90; CONSTRUCTION "2" at 408.61,397.51 h0.64; CONSTRUCTION "1" at 408.61,399.542 h0.64; CONSTRUCTION "3" at 410.896,398.526 h0.64
Q9: CONSTRUCTION "REV3" at 415.755,400.812 h1.02; CONSTRUCTION "BODY" at 418.803,393.7 h1.02; CONSTRUCTION "BODY" at 408.135,386.969 h1.02 r90; CONSTRUCTION "R50X40" at 408.516,393.7 h1.02; CONSTRUCTION "SOT23" at 415.755,402.336 h1.02; CONSTRUCTION "DFM32" at 415.882,399.288 h1.02; CONSTRUCTION "06/13/02" at 415.755,397.764 h1.02; CONSTRUCTION "3 PLCS" at 408.516,392.176 h1.02; CONSTRUCTION "2.286" at 425.153,384.048 h1.02; CONSTRUCTION "2.032" at 416.263,379.222 h1.02 r90; CONSTRUCTION "1.016" at 433.535,393.319 h1.02 r90; CONSTRUCTION "1.27" at 423.629,391.16 h1.02; CONSTRUCTION "3.048" at 410.675,379.222 h1.02 r90; CONSTRUCTION "2" at 419.057,387.604 h0.64; CONSTRUCTION "3" at 421.343,388.62 h0.64; CONSTRUCTION "1" at 419.057,389.636 h0.64
Q10: CONSTRUCTION "1" at 476.315,381.962 h0.64; CONSTRUCTION "2" at 476.315,381.012 h0.64; CONSTRUCTION "3" at 476.315,380.062 h0.64; CONSTRUCTION "6" at 478.905,381.962 h0.64; CONSTRUCTION "5" at 478.905,381.012 h0.64; CONSTRUCTION "4" at 478.905,380.062 h0.64
Q11: CONSTRUCTION "REV3" at 492.127,386.892 h1.02 r180; CONSTRUCTION "BODY" at 489.079,394.004 h1.02 r180; CONSTRUCTION "BODY" at 499.747,400.735 h1.02 r270; CONSTRUCTION "R50X40" at 499.366,394.004 h1.02 r180; CONSTRUCTION "SOT23" at 492.127,385.368 h1.02 r180; CONSTRUCTION "DFM32" at 492,388.416 h1.02 r180; CONSTRUCTION "06/13/02" at 492.127,389.94 h1.02 r180; CONSTRUCTION "3 PLCS" at 499.366,395.528 h1.02 r180; CONSTRUCTION "2.286" at 482.729,403.656 h1.02 r180; CONSTRUCTION "2.032" at 491.619,408.482 h1.02 r270; CONSTRUCTION "1.016" at 474.347,394.385 h1.02 r270; CONSTRUCTION "1.27" at 484.253,396.544 h1.02 r180; CONSTRUCTION "3.048" at 497.207,408.482 h1.02 r270; CONSTRUCTION "2" at 488.317,400.1 h0.64 r180; CONSTRUCTION "3" at 486.031,399.084 h0.64 r180; CONSTRUCTION "1" at 488.317,398.068 h0.64 r180
Q12: CONSTRUCTION "1" at 395.67,411.299 h0.64; CONSTRUCTION "4" at 398.26,409.399 h0.64; CONSTRUCTION "2" at 395.67,410.349 h0.64; CONSTRUCTION "3" at 395.67,409.399 h0.64; CONSTRUCTION "6" at 398.26,411.299 h0.64; CONSTRUCTION "5" at 398.26,410.349 h0.64
Q13: CONSTRUCTION "1" at 395.67,415.363 h0.64; CONSTRUCTION "4" at 398.26,413.463 h0.64; CONSTRUCTION "2" at 395.67,414.413 h0.64; CONSTRUCTION "3" at 395.67,413.463 h0.64; CONSTRUCTION "6" at 398.26,415.363 h0.64; CONSTRUCTION "5" at 398.26,414.413 h0.64
Q14: CONSTRUCTION "1" at 395.67,419.173 h0.64; CONSTRUCTION "4" at 398.26,417.273 h0.64; CONSTRUCTION "6" at 398.26,419.173 h0.64; CONSTRUCTION "3" at 395.67,417.273 h0.64; CONSTRUCTION "2" at 395.67,418.223 h0.64; CONSTRUCTION "5" at 398.26,418.223 h0.64
R1: CONSTRUCTION "MAX" at 470.7,411.597 h1.6; CONSTRUCTION "WIDTH" at 470.24,410.766 h1.6; CONSTRUCTION "2" at 470.822,411.068 h1.6; CONSTRUCTION "1" at 470.822,411.602 h1.6
R2: CONSTRUCTION "MAX" at 471.485,413.121 h1.6 r270; CONSTRUCTION "WIDTH" at 470.654,413.581 h1.6 r270; CONSTRUCTION "1" at 470.85,412.359 h1.6 r270; CONSTRUCTION "2" at 470.317,412.359 h1.6 r270
R3: CONSTRUCTION "LPID 1864" at 416.09,411.837 h0.2; CONSTRUCTION "REV 3" at 416.126,411.677 h0.2; CONSTRUCTION "1" at 415.917,411.781 h0.2 r90; CONSTRUCTION "2" at 416.451,411.781 h0.2 r90
R4: CONSTRUCTION "LPID 1864" at 414.033,393.813 h0.2 r90; CONSTRUCTION "REV 3" at 414.193,393.848 h0.2 r90; CONSTRUCTION "1" at 414.007,393.721 h0.2 r180; CONSTRUCTION "2" at 414.007,394.255 h0.2 r180
R5: CONSTRUCTION "MAX" at 412.889,405.963 h1.6; CONSTRUCTION "WIDTH" at 412.429,405.133 h1.6; CONSTRUCTION "2" at 413.011,405.435 h1.6; CONSTRUCTION "1" at 413.011,405.968 h1.6
R6: CONSTRUCTION "MAX" at 413.538,405.963 h1.6; CONSTRUCTION "WIDTH" at 413.078,405.133 h1.6; CONSTRUCTION "2" at 413.66,405.435 h1.6; CONSTRUCTION "1" at 413.66,405.968 h1.6
R7: CONSTRUCTION "MAX" at 479.073,367.622 h1.6 r270; CONSTRUCTION "WIDTH" at 478.242,368.082 h1.6 r270; CONSTRUCTION "2" at 477.904,366.86 h1.6 r270; CONSTRUCTION "1" at 478.438,366.86 h1.6 r270
R8: CONSTRUCTION "MAX" at 482.816,371.355 h1.6; CONSTRUCTION "WIDTH" at 482.356,370.525 h1.6; CONSTRUCTION "1" at 482.938,371.36 h1.6; CONSTRUCTION "2" at 482.938,370.827 h1.6
R9: CONSTRUCTION "MAX" at 480.316,364.355 h1.6; CONSTRUCTION "WIDTH" at 479.856,363.525 h1.6; CONSTRUCTION "2" at 480.438,363.827 h1.6; CONSTRUCTION "1" at 480.438,364.36 h1.6
R10: CONSTRUCTION "MAX" at 464.594,396.459 h1.6 r90; CONSTRUCTION "WIDTH" at 465.424,396 h1.6 r90; CONSTRUCTION "1" at 463.949,397.221 h1.6 r90; CONSTRUCTION "2" at 464.482,397.221 h1.6 r90
R11: CONSTRUCTION "MAX" at 467.077,401.716 h1.6; CONSTRUCTION "WIDTH" at 466.617,400.886 h1.6; CONSTRUCTION "1" at 467.199,401.721 h1.6; CONSTRUCTION "2" at 467.199,401.188 h1.6
R12: CONSTRUCTION "LPID 1864" at 453.93,404.527 h0.2; CONSTRUCTION "REV 3" at 453.966,404.367 h0.2; CONSTRUCTION "1" at 453.757,404.471 h0.2 r90; CONSTRUCTION "2" at 454.291,404.471 h0.2 r90
R13: CONSTRUCTION "LPID 1864" at 437.775,408.063 h0.2 r90; CONSTRUCTION "REV 3" at 437.935,408.098 h0.2 r90; CONSTRUCTION "1" at 437.749,407.971 h0.2 r180; CONSTRUCTION "2" at 437.749,408.505 h0.2 r180
R14: CONSTRUCTION "LPID 1864" at 438.779,408.063 h0.2 r90; CONSTRUCTION "REV 3" at 438.939,408.098 h0.2 r90; CONSTRUCTION "1" at 438.753,407.971 h0.2 r180; CONSTRUCTION "2" at 438.753,408.505 h0.2 r180
R15: CONSTRUCTION "LPID 1864" at 439.783,408.063 h0.2 r90; CONSTRUCTION "REV 3" at 439.943,408.098 h0.2 r90; CONSTRUCTION "1" at 439.757,407.971 h0.2 r180; CONSTRUCTION "2" at 439.757,408.505 h0.2 r180
R16: CONSTRUCTION "LPID 1864" at 440.787,408.063 h0.2 r90; CONSTRUCTION "REV 3" at 440.947,408.098 h0.2 r90; CONSTRUCTION "1" at 440.761,407.971 h0.2 r180; CONSTRUCTION "2" at 440.761,408.505 h0.2 r180
R17: CONSTRUCTION "LPID 1864" at 441.791,408.063 h0.2 r90; CONSTRUCTION "REV 3" at 441.951,408.098 h0.2 r90; CONSTRUCTION "1" at 441.765,407.971 h0.2 r180; CONSTRUCTION "2" at 441.765,408.505 h0.2 r180
R18: CONSTRUCTION "LPID 1864" at 442.795,408.063 h0.2 r90; CONSTRUCTION "REV 3" at 442.955,408.098 h0.2 r90; CONSTRUCTION "1" at 442.769,407.971 h0.2 r180; CONSTRUCTION "2" at 442.769,408.505 h0.2 r180
R19: CONSTRUCTION "LPID 1864" at 426.484,401.064 h0.2 r90; CONSTRUCTION "REV 3" at 426.644,401.099 h0.2 r90; CONSTRUCTION "2" at 426.458,401.506 h0.2 r180; CONSTRUCTION "1" at 426.458,400.972 h0.2 r180
R20: CONSTRUCTION "LPID 1864" at 435.93,388.781 h0.2; CONSTRUCTION "REV 3" at 435.966,388.621 h0.2; CONSTRUCTION "1" at 435.757,388.725 h0.2 r90; CONSTRUCTION "2" at 436.291,388.725 h0.2 r90
R21: CONSTRUCTION "LPID 1864" at 435.93,387.904 h0.2; CONSTRUCTION "REV 3" at 435.966,387.744 h0.2; CONSTRUCTION "1" at 435.757,387.848 h0.2 r90; CONSTRUCTION "2" at 436.291,387.848 h0.2 r90
R22: CONSTRUCTION "LPID 1864" at 435.93,387.027 h0.2; CONSTRUCTION "REV 3" at 435.966,386.867 h0.2; CONSTRUCTION "1" at 435.757,386.971 h0.2 r90; CONSTRUCTION "2" at 436.291,386.971 h0.2 r90
R23: CONSTRUCTION "LPID 1864" at 435.93,386.15 h0.2; CONSTRUCTION "REV 3" at 435.966,385.99 h0.2; CONSTRUCTION "1" at 435.757,386.094 h0.2 r90; CONSTRUCTION "2" at 436.291,386.094 h0.2 r90
R24: CONSTRUCTION "LPID 1864" at 435.93,385.273 h0.2; CONSTRUCTION "REV 3" at 435.966,385.113 h0.2; CONSTRUCTION "1" at 435.757,385.217 h0.2 r90; CONSTRUCTION "2" at 436.291,385.217 h0.2 r90
R25: CONSTRUCTION "LPID 1864" at 443.747,386.543 h0.2 r180; CONSTRUCTION "REV 3" at 443.712,386.703 h0.2 r180; CONSTRUCTION "1" at 443.757,386.598 h0.2 r270; CONSTRUCTION "2" at 443.224,386.598 h0.2 r270
R26: CONSTRUCTION "LPID 1864" at 435.93,384.396 h0.2; CONSTRUCTION "REV 3" at 435.966,384.236 h0.2; CONSTRUCTION "1" at 435.757,384.34 h0.2 r90; CONSTRUCTION "2" at 436.291,384.34 h0.2 r90
R27: CONSTRUCTION "LPID 1864" at 443.747,385.665 h0.2 r180; CONSTRUCTION "REV 3" at 443.712,385.825 h0.2 r180; CONSTRUCTION "1" at 443.757,385.721 h0.2 r270; CONSTRUCTION "2" at 443.224,385.721 h0.2 r270
R28: CONSTRUCTION "LPID 1864" at 437.906,382.813 h0.2 r90; CONSTRUCTION "REV 3" at 438.066,382.848 h0.2 r90; CONSTRUCTION "1" at 437.88,382.721 h0.2 r180; CONSTRUCTION "2" at 437.88,383.255 h0.2 r180
R29: CONSTRUCTION "LPID 1864" at 443.747,384.789 h0.2 r180; CONSTRUCTION "REV 3" at 443.712,384.949 h0.2 r180; CONSTRUCTION "1" at 443.757,384.844 h0.2 r270; CONSTRUCTION "2" at 443.224,384.844 h0.2 r270
R30: CONSTRUCTION "LPID 1864" at 441.791,382.813 h0.2 r90; CONSTRUCTION "REV 3" at 441.951,382.848 h0.2 r90; CONSTRUCTION "1" at 441.765,382.721 h0.2 r180; CONSTRUCTION "2" at 441.765,383.255 h0.2 r180
R31: CONSTRUCTION "LPID 1864" at 440.787,382.813 h0.2 r90; CONSTRUCTION "REV 3" at 440.947,382.848 h0.2 r90; CONSTRUCTION "1" at 440.761,382.721 h0.2 r180; CONSTRUCTION "2" at 440.761,383.255 h0.2 r180
R32: CONSTRUCTION "LPID 1864" at 439.783,382.813 h0.2 r90; CONSTRUCTION "REV 3" at 439.943,382.848 h0.2 r90; CONSTRUCTION "1" at 439.757,382.721 h0.2 r180; CONSTRUCTION "2" at 439.757,383.255 h0.2 r180
R33: CONSTRUCTION "LPID 1864" at 438.783,382.813 h0.2 r90; CONSTRUCTION "REV 3" at 438.943,382.848 h0.2 r90; CONSTRUCTION "1" at 438.757,382.721 h0.2 r180; CONSTRUCTION "2" at 438.757,383.255 h0.2 r180
R34: CONSTRUCTION "LPID 1864" at 453.93,403.777 h0.2; CONSTRUCTION "REV 3" at 453.966,403.617 h0.2; CONSTRUCTION "1" at 453.757,403.721 h0.2 r90; CONSTRUCTION "2" at 454.291,403.721 h0.2 r90
R35: CONSTRUCTION "LPID 1864" at 453.93,405.527 h0.2; CONSTRUCTION "REV 3" at 453.966,405.367 h0.2; CONSTRUCTION "1" at 453.757,405.471 h0.2 r90; CONSTRUCTION "2" at 454.291,405.471 h0.2 r90
R36: CONSTRUCTION "LPID 1864" at 392.762,371.102 h0.2 r270; CONSTRUCTION "REV 3" at 392.602,371.066 h0.2 r270; CONSTRUCTION "1" at 392.625,371.193 h0.2; CONSTRUCTION "2" at 392.625,370.66 h0.2
R37: CONSTRUCTION "LPID 1864" at 394.085,371.113 h0.2 r270; CONSTRUCTION "REV 3" at 393.925,371.078 h0.2 r270; CONSTRUCTION "2" at 393.947,370.671 h0.2; CONSTRUCTION "1" at 393.947,371.205 h0.2
R38: CONSTRUCTION "REV12" at 398.689,399.343 h1.02 r180; CONSTRUCTION "2" at 395.946,397.971 h0.64 r270; CONSTRUCTION "1" at 396.835,397.971 h0.64 r270
R39: CONSTRUCTION "LPID 1864" at 449.93,414.777 h0.2; CONSTRUCTION "REV 3" at 449.966,414.617 h0.2; CONSTRUCTION "1" at 449.757,414.721 h0.2 r90; CONSTRUCTION "2" at 450.291,414.721 h0.2 r90
R40: CONSTRUCTION "LPID 1864" at 444.93,414.777 h0.2; CONSTRUCTION "REV 3" at 444.966,414.617 h0.2; CONSTRUCTION "1" at 444.757,414.721 h0.2 r90; CONSTRUCTION "2" at 445.291,414.721 h0.2 r90
R41: CONSTRUCTION "LPID 1864" at 450.93,408.777 h0.2; CONSTRUCTION "REV 3" at 450.966,408.617 h0.2; CONSTRUCTION "2" at 451.291,408.721 h0.2 r90; CONSTRUCTION "1" at 450.757,408.721 h0.2 r90
R42: CONSTRUCTION "LPID 1864" at 445.93,408.777 h0.2; CONSTRUCTION "REV 3" at 445.966,408.617 h0.2; CONSTRUCTION "2" at 446.291,408.721 h0.2 r90; CONSTRUCTION "1" at 445.757,408.721 h0.2 r90
R43: CONSTRUCTION "LPID 1864" at 436.497,412.666 h0.2 r180; CONSTRUCTION "REV 3" at 436.462,412.826 h0.2 r180; CONSTRUCTION "1" at 436.507,412.721 h0.2 r270; CONSTRUCTION "2" at 435.974,412.721 h0.2 r270
R44: CONSTRUCTION "LPID 1864" at 436.497,413.416 h0.2 r180; CONSTRUCTION "REV 3" at 436.462,413.575 h0.2 r180; CONSTRUCTION "1" at 436.507,413.471 h0.2 r270; CONSTRUCTION "2" at 435.974,413.471 h0.2 r270
R45: CONSTRUCTION "LPID 1864" at 407.68,416.277 h0.2; CONSTRUCTION "REV 3" at 407.716,416.117 h0.2; CONSTRUCTION "2" at 408.041,416.221 h0.2 r90; CONSTRUCTION "1" at 407.507,416.221 h0.2 r90
R46: CONSTRUCTION "LPID 1864" at 412.247,415.666 h0.2 r180; CONSTRUCTION "REV 3" at 412.212,415.826 h0.2 r180; CONSTRUCTION "2" at 411.724,415.721 h0.2 r270; CONSTRUCTION "1" at 412.257,415.721 h0.2 r270
R47: CONSTRUCTION "LPID 1864" at 382.395,424.13 h0.2 r270; CONSTRUCTION "REV 3" at 382.235,424.094 h0.2 r270; CONSTRUCTION "1" at 382.257,424.221 h0.2; CONSTRUCTION "2" at 382.257,423.688 h0.2
R48: CONSTRUCTION "LPID 1864" at 391.283,429.313 h0.2 r90; CONSTRUCTION "REV 3" at 391.443,429.348 h0.2 r90; CONSTRUCTION "2" at 391.257,429.755 h0.2 r180; CONSTRUCTION "1" at 391.257,429.221 h0.2 r180
R49: CONSTRUCTION "LPID 1864" at 386.033,429.313 h0.2 r90; CONSTRUCTION "REV 3" at 386.193,429.348 h0.2 r90; CONSTRUCTION "1" at 386.007,429.221 h0.2 r180; CONSTRUCTION "2" at 386.007,429.755 h0.2 r180
R50: CONSTRUCTION "LPID 1864" at 455.783,390.313 h0.2 r90; CONSTRUCTION "REV 3" at 455.943,390.348 h0.2 r90; CONSTRUCTION "1" at 455.757,390.221 h0.2 r180; CONSTRUCTION "2" at 455.757,390.755 h0.2 r180
R51: CONSTRUCTION "LPID 1864" at 456.533,390.313 h0.2 r90; CONSTRUCTION "REV 3" at 456.693,390.348 h0.2 r90; CONSTRUCTION "1" at 456.507,390.221 h0.2 r180; CONSTRUCTION "2" at 456.507,390.755 h0.2 r180
R52: CONSTRUCTION "LPID 1864" at 432.93,407.777 h0.2; CONSTRUCTION "REV 3" at 432.966,407.617 h0.2; CONSTRUCTION "2" at 433.291,407.721 h0.2 r90; CONSTRUCTION "1" at 432.757,407.721 h0.2 r90
R53: CONSTRUCTION "LPID 1864" at 432.93,408.527 h0.2; CONSTRUCTION "REV 3" at 432.966,408.367 h0.2; CONSTRUCTION "2" at 433.291,408.471 h0.2 r90; CONSTRUCTION "1" at 432.757,408.471 h0.2 r90
R54: CONSTRUCTION "LPID 1864" at 432.93,409.277 h0.2; CONSTRUCTION "REV 3" at 432.966,409.117 h0.2; CONSTRUCTION "2" at 433.291,409.221 h0.2 r90; CONSTRUCTION "1" at 432.757,409.221 h0.2 r90
R55: CONSTRUCTION "LPID 1864" at 430.533,411.563 h0.2 r90; CONSTRUCTION "REV 3" at 430.693,411.598 h0.2 r90; CONSTRUCTION "2" at 430.507,412.005 h0.2 r180; CONSTRUCTION "1" at 430.507,411.471 h0.2 r180
R56: CONSTRUCTION "LPID 1864" at 429.783,411.563 h0.2 r90; CONSTRUCTION "REV 3" at 429.943,411.598 h0.2 r90; CONSTRUCTION "2" at 429.757,412.005 h0.2 r180; CONSTRUCTION "1" at 429.757,411.471 h0.2 r180
R57: CONSTRUCTION "LPID 1864" at 429.033,411.563 h0.2 r90; CONSTRUCTION "REV 3" at 429.193,411.598 h0.2 r90; CONSTRUCTION "2" at 429.007,412.005 h0.2 r180; CONSTRUCTION "1" at 429.007,411.471 h0.2 r180
R58: CONSTRUCTION "LPID 1864" at 454.895,383.13 h0.2 r270; CONSTRUCTION "REV 3" at 454.735,383.094 h0.2 r270; CONSTRUCTION "2" at 454.757,382.688 h0.2; CONSTRUCTION "1" at 454.757,383.221 h0.2
R59: CONSTRUCTION "LPID 1864" at 455.645,383.13 h0.2 r270; CONSTRUCTION "REV 3" at 455.484,383.094 h0.2 r270; CONSTRUCTION "2" at 455.507,382.688 h0.2; CONSTRUCTION "1" at 455.507,383.221 h0.2
R60: CONSTRUCTION "LPID 1864" at 456.394,383.13 h0.2 r270; CONSTRUCTION "REV 3" at 456.235,383.094 h0.2 r270; CONSTRUCTION "2" at 456.257,382.688 h0.2; CONSTRUCTION "1" at 456.257,383.221 h0.2
R61: CONSTRUCTION "LPID 1864" at 458.18,385.027 h0.2; CONSTRUCTION "REV 3" at 458.216,384.867 h0.2; CONSTRUCTION "2" at 458.541,384.971 h0.2 r90; CONSTRUCTION "1" at 458.007,384.971 h0.2 r90
R62: CONSTRUCTION "LPID 1864" at 458.18,385.777 h0.2; CONSTRUCTION "REV 3" at 458.216,385.617 h0.2; CONSTRUCTION "2" at 458.541,385.721 h0.2 r90; CONSTRUCTION "1" at 458.007,385.721 h0.2 r90
R63: CONSTRUCTION "LPID 1864" at 458.18,386.527 h0.2; CONSTRUCTION "REV 3" at 458.216,386.367 h0.2; CONSTRUCTION "2" at 458.541,386.471 h0.2 r90; CONSTRUCTION "1" at 458.007,386.471 h0.2 r90
R64: CONSTRUCTION "LPID 1864" at 450.747,388.415 h0.2 r180; CONSTRUCTION "REV 3" at 450.712,388.576 h0.2 r180; CONSTRUCTION "2" at 450.224,388.471 h0.2 r270; CONSTRUCTION "1" at 450.757,388.471 h0.2 r270
R65: CONSTRUCTION "LPID 1864" at 450.747,387.666 h0.2 r180; CONSTRUCTION "REV 3" at 450.712,387.826 h0.2 r180; CONSTRUCTION "2" at 450.224,387.721 h0.2 r270; CONSTRUCTION "1" at 450.757,387.721 h0.2 r270
R66: CONSTRUCTION "LPID 1864" at 450.747,386.915 h0.2 r180; CONSTRUCTION "REV 3" at 450.712,387.075 h0.2 r180; CONSTRUCTION "2" at 450.224,386.971 h0.2 r270; CONSTRUCTION "1" at 450.757,386.971 h0.2 r270
R67: CONSTRUCTION "LPID 1864" at 450.747,386.166 h0.2 r180; CONSTRUCTION "REV 3" at 450.712,386.326 h0.2 r180; CONSTRUCTION "2" at 450.224,386.221 h0.2 r270; CONSTRUCTION "1" at 450.757,386.221 h0.2 r270
R68: CONSTRUCTION "LPID 1864" at 450.747,385.416 h0.2 r180; CONSTRUCTION "REV 3" at 450.712,385.576 h0.2 r180; CONSTRUCTION "2" at 450.224,385.471 h0.2 r270; CONSTRUCTION "1" at 450.757,385.471 h0.2 r270
R69: CONSTRUCTION "LPID 1864" at 450.747,384.666 h0.2 r180; CONSTRUCTION "REV 3" at 450.712,384.826 h0.2 r180; CONSTRUCTION "2" at 450.224,384.721 h0.2 r270; CONSTRUCTION "1" at 450.757,384.721 h0.2 r270
R70: CONSTRUCTION "LPID 1864" at 445.183,376.816 h0.2 r90; CONSTRUCTION "REV 3" at 445.343,376.852 h0.2 r90; CONSTRUCTION "2" at 445.157,377.258 h0.2 r180; CONSTRUCTION "1" at 445.157,376.725 h0.2 r180
R71: CONSTRUCTION "LPID 1864" at 448.005,377.61 h0.2 r270; CONSTRUCTION "REV 3" at 447.844,377.574 h0.2 r270; CONSTRUCTION "2" at 447.867,377.168 h0.2; CONSTRUCTION "1" at 447.867,377.701 h0.2
R72: CONSTRUCTION "LPID 1864" at 465.644,401.63 h0.2 r270; CONSTRUCTION "REV 3" at 465.484,401.594 h0.2 r270; CONSTRUCTION "2" at 465.507,401.188 h0.2; CONSTRUCTION "1" at 465.507,401.721 h0.2